# Allegro board 038RT-9068CJK8E-A100_0921.brd (continued)
## Copper pours and planes (outline as drawn; the poured copper is in the pictures) (continued)
SH32_LDO_5TO3_OUT on BOTTOM: 407.89,431.52 407.2,431.52 407.07,431.65 407.07,432.63 407.23,432.79 409.71,432.79 409.9,432.59 409.9,428.35 409.22,427.66 409.22,424.38 408.98,424.14 407.28,424.14 407.09,423.95 407.09,422.38 406.99,422.28 405.73,422.28 405.58,422.43 405.58,424.08 407.26,425.76 407.26,428.28 408.27,429.3 408.27,431.14
SH32_LDO_5TO3_OUT on L07_SIGNAL: 408.94,431.31 408.94,436.34 404.83,440.45 396.35,440.45 394.71,438.81 385.09,438.81 382.83,441.07 382.83,452.66 385.11,454.94 420.56,454.94 424.03,451.47 424.03,417.59 423.27,416.83 396.42,416.83 393.67,419.58 393.67,432.16 395.24,433.73 399.2,433.73 402.87,430.05 407.68,430.05
SH32_SWR_5TO1_OUT on TOP: 410.61,437.82 410.61,440.11 410.26,440.45 408.98,440.45 407.72,439.19 407.3,439.19 407.01,438.9 407.01,438.61 408.02,437.6 410.39,437.6
SH32_SWR_5TO1_OUT on BOTTOM: 410.69,438.26 410.69,440.6 410.37,440.92 408.92,440.92 408.65,440.64 408.65,438.25 408.95,437.95 410.38,437.95
SH32_USB_AVDD10 on BOTTOM: 392.04,437.28 396.88,437.28 397.21,436.95 397.21,432.89 397.11,432.79 382.45,432.79 382.26,432.98 382.26,435.17 382.85,435.76 390.51,435.76
SH32_XTAL_IN on BOTTOM (solid shape): 396.06,427.94 396.1,427.92 396.12,427.88 396.08,426.79 395.47,427.28 394.88,427.79
SLOT23.FORCE09 on BOTTOM: 241.15,28.65 241.15,30.5 242.38,31.73 242.38,37.15 242.59,37.36 244.98,37.36 245.1,37.24 245.1,32.99 244.51,32.4 244.51,31.34 245.41,30.45 245.41,28.39 245.14,28.13 241.67,28.13
SLOT23.FORCE09 on L23_POWER: 156.21,294.59 156.21,195.74 123.17,162.7 123.17,27.81 134.44,16.54 216.76,16.54 225.57,25.34 225.57,42.5 227.18,44.11 255.11,44.11 256.83,42.39 256.83,8.28 252.42,3.87 135.24,3.87 135.24,3.87 104.28,3.87 95.19,12.96 95.19,171.51 128.85,205.17 128.85,307.37 145.99,324.51 321.81,324.51 338.73,341.43 361.93,341.43 362.41,340.94 362.41,336.15 361.33,335.07 352.39,335.07 321.37,304.05 165.67,304.05
SLOT23.FORCE15 on BOTTOM: 265.06,447.83 265.06,445.37 264.13,444.44 264.13,439.02 263.92,438.81 261.53,438.81 261.41,438.93 261.41,443.19 262,443.77 262,444.83 261.11,445.73 261.11,447.78 261.37,448.04 264.84,448.04
SLOT23.FORCE15 on L23_POWER: 251.71,442.48 251.71,405.06 258.73,398.04 343.79,398.04 355.06,386.77 355.06,375.33 357.39,373 365.57,373 366.85,374.28 366.85,387.46 340.77,413.55 282.16,413.55 273.2,422.51 273.2,442.48 269.67,446.01 255.24,446.01
SLOT24.FORCE03 on BOTTOM: 442.84,447.83 442.84,445.37 441.91,444.44 441.91,439.02 441.71,438.81 439.32,438.81 439.2,438.93 439.2,443.19 439.79,443.77 439.79,444.83 438.89,445.73 438.89,447.78 439.15,448.04 442.63,448.04
SLOT24.FORCE03 on L23_POWER: 528.66,405.18 528.66,457.62 519.74,466.54 453.67,466.54 446.78,459.65 446.78,438.16 444.64,436.02 430.92,436.02 429.34,437.6 429.34,477.52 433.07,481.25 547.25,481.25 550.2,478.3 550.2,405.32 531.44,386.55 419.52,386.55 415.51,382.54 415.51,358.03 413.26,355.78 388.25,355.78 387.77,356.26 387.77,361.26 388.34,361.83 394.93,361.83 404.98,371.88 404.98,395.2 413.2,403.42 526.9,403.42
SLOT24.FORCE04 on BOTTOM: 423.6,28.65 423.6,30.5 424.83,31.73 424.83,37.15 425.04,37.36 427.43,37.36 427.55,37.24 427.55,32.99 426.96,32.4 426.96,31.34 427.85,30.45 427.85,28.39 427.59,28.13 424.12,28.13
SLOT24.FORCE04 on L23_POWER: 532.06,18.76 441.81,18.76 438.11,22.46 438.11,43.79 436.92,44.98 421.93,44.98 420.17,43.22 420.17,15.89 420.3,15.77 420.3,7.5 423.79,4.01 605.54,4.01 613.6,12.07 613.6,145.29 609.2,149.68 609.2,153.07 570.03,192.24 570.03,323.19 567.61,325.61 411.72,325.61 410.33,327.01 410.33,350.2 408.89,351.63 387.99,351.63 387.76,351.4 387.76,345.93 388.46,345.23 394.61,345.23 396.45,343.39 396.45,319.63 410.6,305.49 526.93,305.49 534.4,298.02 534.4,178.31 562.33,150.38 562.33,22.95 559.52,20.14
VDC on TOP: 42.27,432.5 42.27,422.95 46.58,422.95 47.6,421.93 50.36,421.93 51.26,422.83 51.26,432.95 50.75,433.46 43.24,433.46
VDC on L07_SIGNAL: 15.27,410.87 45.04,410.87 46.01,411.84 46.01,430.78 41.82,434.98 17.56,434.98 16.65,434.06 16.65,427.41 13.47,424.23 13.47,412.67
VDC on L17_SIGNAL: 150.94,32.58 150.94,15.86 146.65,11.56 52.6,11.56 46.26,17.9 46.26,370.92 31.12,386.05 31.12,437.97 74.13,480.98 620.98,480.98 637.63,464.34 637.63,332.41 644.97,325.07 644.97,280.47 640.55,276.05 640.55,89.96 601.1,50.5 601.1,33.02 596.26,28.18 591.48,28.18 587.24,32.43 587.24,94.63 607.7,115.09 607.7,181.32 605.79,183.23 605.79,196.05 607.7,197.97 607.7,246.06 605.44,248.33 605.44,254.13 607.7,256.39 607.7,427.84 579.26,456.28 109.63,456.28 79,425.65 79,330.15 82.29,326.86 82.29,302.75 79,299.46 79,199.21 82.39,195.83 82.39,101.85 79,98.47 79,58.9 75.07,54.96 75.07,38.22 77.81,35.47 148.05,35.47
VN15 on TOP: 340.61,47.05 340.61,45.78 341.11,45.28 341.11,41.97 341.65,41.43 344.02,41.43 344.43,41.84 344.43,49.1 343.93,49.59 340.3,49.59 340.03,49.32 340.03,47.63
VN15 on L26_RLY: 339.58,86.36 339.58,42.18 340.39,41.37 347.45,41.37 348.47,42.39 348.47,81.91 351.01,84.46 351.01,92.33 350.36,92.98 346.2,92.98
VP5A on BOTTOM (solid shape): 598.93,46.82 597.91,46.25 597.38,46.7 597.34,46.82 597.38,46.94 597.91,47.39
VP5A on L25_USER_PWR: 315.41,59.34 305.74,69.01 198.43,69.01 181.44,86.01 181.44,189.44 175.74,195.14 149.63,195.14 114.53,230.24 53.88,230.24 48.86,235.26 48.86,240.54 51.9,243.57 124.02,243.57 159.61,207.98 188.88,207.98 203.95,192.91 253.06,192.91 258.77,187.21 258.77,166.06 247.42,154.71 201.78,154.71 193.35,146.28 193.35,92.45 199.69,86.11 327.75,86.11 330.24,88.6 330.24,109.82 332.34,111.92 348.24,111.92 349.25,110.91 349.25,100.52 348.57,99.83 344.05,99.83 342.67,98.45 342.67,73.19 339.69,70.2 339.69,48.42 341.16,46.95 373.66,46.95 381.75,38.86 493.46,38.86 510.41,55.81 609.81,55.81 612.23,53.39 612.23,35.84 609.25,32.86 528.17,32.86 507.74,12.43 324.34,12.43 315.41,21.36
VP5B on L23_POWER: 351.74,123.98 333.56,123.98 331.25,121.67 331.25,91.83 321.34,81.92 321.34,6.27 323.07,4.54 354.08,4.54 355.58,6.04 355.58,18.86 352.56,21.89 339.37,21.89 338.01,23.25 338.01,82.29 341.3,85.58 341.3,105.36 343.17,107.23 351.79,107.23 353.98,109.43 353.98,121.73
VP12 on TOP: 615.03,21.74 615.03,18.73 615.88,17.88 644.99,17.88 645.91,18.8 645.91,21.46 645.38,21.99 615.28,21.99
VP12 on L25_USER_PWR: 689.28,1.02 1.31,1.02 1.31,487.43 689.28,487.43 ; 1 cut-out
VP15 on TOP: 344.02,32.14 344.43,32.54 344.43,39.8 343.93,40.3 342.74,40.3 342.43,39.99 342.43,38.62 341.99,38.18 339.53,38.18 339.32,37.97 339.32,36.28 339.66,35.94 340.41,35.94 340.96,35.39 340.96,32.45 341.28,32.14
VP15 on L26_RLY: 340.08,40.76 347.72,40.76 348.97,39.51 348.97,32.57 348.12,31.72 330.16,31.72 328.5,33.38 328.5,91.97 337.73,101.2 350.91,101.2 351.33,100.78 351.33,94.22 350.74,93.63 341.89,93.63 337.75,89.49 337.75,43.08
VP24 on TOP: 344.02,22.84 344.43,23.25 344.43,30.51 343.93,31 342.74,31 342.43,30.69 342.43,29.32 341.99,28.89 339.53,28.89 339.32,28.67 339.32,26.98 339.66,26.65 340.41,26.65 340.96,26.1 340.96,23.16 341.28,22.84
VP24 on L23_POWER: 347.13,97.28 347.13,89.08 343.29,85.23 343.29,85.14 339.51,81.35 339.51,23.36 340.31,22.55 354.21,22.55 355.69,24.03 355.69,95.77 353.5,97.96 347.81,97.96
VR24 on L23_POWER: 344.35,99.43 344.35,95.68 344.8,95.23 346.23,95.23 346.66,95.66 346.66,99.49 346.2,99.95 344.87,99.95

Small or netless copper shapes (teardrops, artwork), in the pictures only: 561 on TOP, 2942 on BOTTOM, 377 on L03_SIGNAL, 276 on L05_SIGNAL, 301 on L07_SIGNAL, 86 on L09_SIGNAL, 52 on L11_SIGNAL, 48 on L13_SIGNAL, 123 on L15_SIGNAL, 35 on L17_SIGNAL, 2 on L26_RLY, 56 on L36_SIGNAL, 26 on L38_SIGNAL, 32 on L40_SIGNAL, 26 on L42_SIGNAL, 32 on L44_SIGNAL, 208 on L46_SIGNAL

## Text on the board
BODY_CENTER: 101 | 104 | 107 | 110 | 113 | 116 | 119 | 121 | 123 | 125 | 127 | 98 | 65 | 68 | 71 | 74 | 77 | 80 | 83 | 86 | 88 | 90 | 92 | 94 | 102 | 105 | 108 | 111 | 114 | 117 | 120 | 122 | 124 | 126 | 96 | 99 | 66 | 69 | 72 | 75 | 78 | 81 | 84 | 87 | 89 | 91 | 93 | 95 | 100 | 103 | 106 | 109 | 112 | 115 | 118 | 97 | 64 | 67 | 70 | 73 | 76 | 79 | 82 | 85 | 43 | 49 | 55 | 58 | 61 | 11 | 14 | 17 | 20 | 23 | 26 | 29 | 34 | 37 | 40 | 46 | 52 | 2 | 5 | 8 | 35 | 38 | 41 | 44 | 47 | 53 | 56 | 59 | 62 | 12 | 15 | 18 | 21 | 24 | 27 | 30 | 50 | 32 | 0 | 3 | 6 | 9 | 33 | 36 | 39 | 42 | 48 | 54 | 10 | 13 | 16 | 19 | 22 | 25 | 28 | 31 | 45 | 51 | 60 | 63 | 57 | 1 | 4 | 7
User.11: M3X4 | 1.61+0.04X4 | (0,0) | UNIT:MM | PCB THICKNESS:5.0834MM
User.45: 1.52 mm | 1.65 mm | 1.10 mm | 0.80 mm | 0.66 mm | 17.20 mm | 11.60 mm | 13.80 mm | 1.75 mm | 1.60 mm | 16.90 mm | 3.10 mm | 0.95 mm | 8.80 mm | 2.90 mm | 10.50 mm | 1.20 mm | 1.24 mm | 5.20 mm | 5.09 mm | 12.30 mm | 13.00 mm | 10.40 mm | 2.84 mm | 2.21 mm | 1.06 mm | 6.75 mm | 1.40 mm | 3.20 mm | 8.40 mm | 6.80 mm | 8.02 mm | 4.01 mm | 2.20 mm | 2.16 mm | 4.10 mm | UNIT:MM | PCB THICKNESS:5.0834MM
